# Altium PCB HYDRA_V3_BEACON.PcbDoc (part 1 of 2) (continued)
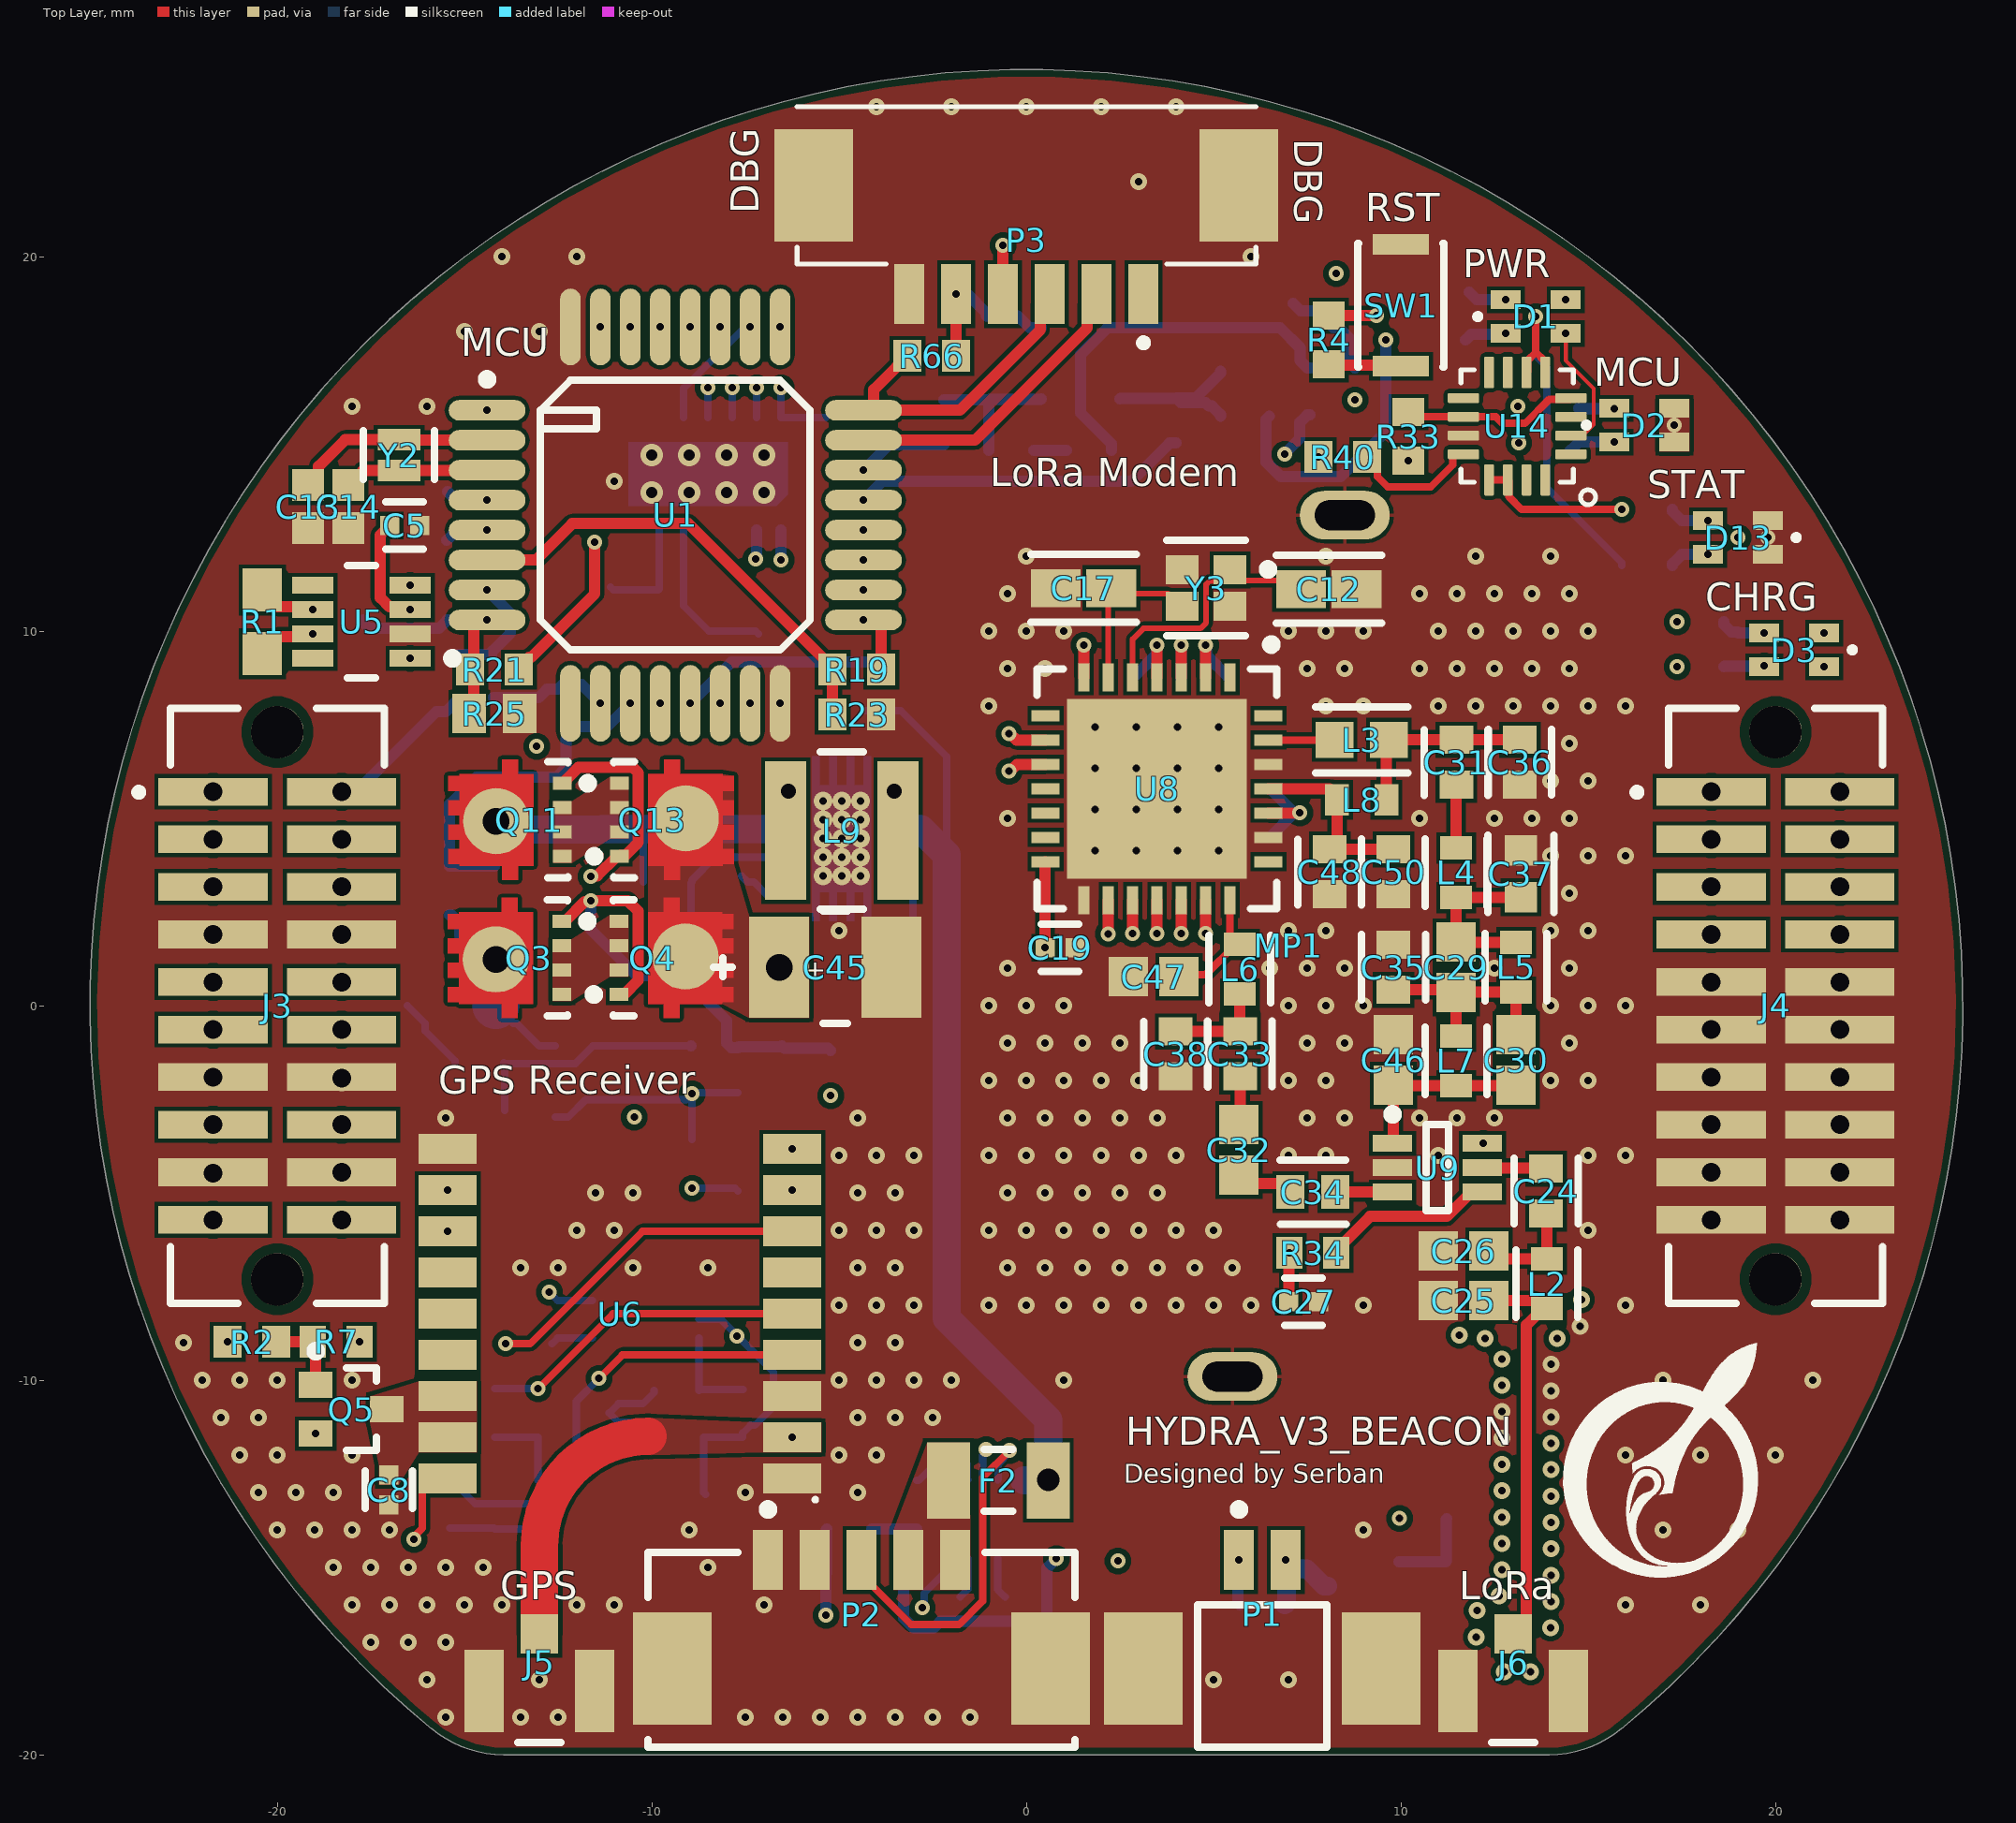
[diagram p0: Top Layer view]
## Components (designator, comment, footprint, x,y, rotation, side; value= is the part's Value field where it differs from the comment) (continued)
Q11 "SISH615ADN-T1-GE3" SISH615ADN-T1-GE3-Footprint-1 -13.79,4.927 r90 top
Q13 "SISH615ADN-T1-GE3" SISH615ADN-T1-GE3-Footprint-1 -9.465,5.002 r270 top
Q14 "BSS138W-7-F" DIOD-SOT323-3_V 9,-15.5 r180 bottom
R1 "ERJ-3EKF1200V" RESC1609X55X30ML15T15 -20.401,10.251 r270 top
R2 "ERJ3EKF1002V" RESC1609X55X30LL15T15 -20.675,-8.975 r180 top
R3 "CRCW060351R0FKEA" FP-CRCW0603-e3-MFG 13.9,16.2 r180 bottom
R4 "ERJ-3EKF3300V" RESC1608X55X30LL15T15#1 8.075,17.775 r270 top
R5 "CRCW060351R0FKEA" FP-CRCW0603-e3-MFG 13.9,14.8 r180 bottom
R6 "ERJ3EKF1002V" RESC1609X55X30LL15T15 -15.475,13.1 r90 bottom
R7 "ERJ-3EKF1001V" RESC1608X55X30LL15T15#2 -18.425,-8.975 r180 top
R8 "ERJ-3EKF3300V" RESC1608X55X30LL15T15#1 11.075,17.775 r180 bottom
R9 "0R3J" RESC0603(1608)_L 6.3,-14.8 r180 bottom value=0
R10 "CRCW060351R0FKEA" FP-CRCW0603-e3-MFG 11.075,19.05 r180 bottom
R11 "ERJ3EKF1002V" RESC1609X55X30LL15T15 -15.4,3.075 r270 bottom
R12 "ERJ3EKF1002V" RESC1609X55X30LL15T15 -14.2,3.075 r90 bottom
R13 "ERJ3EKF1002V" RESC1609X55X30LL15T15 -6.525,-1.725 r90 bottom
R14 "ERJ-3EKF1001V" RESC1608X55X30LL15T15#2 18,10.25 r0 bottom
R15 "ERJ-6DSFR10V" FP-ERJ6D-MFG -15.35,0 r0 bottom
R16 "ERJ3EKF1002V" RESC1609X55X30LL15T15 -14.6,-1.525 r180 bottom
R17 "RT0603BRD071ML" RESC1608X55X30NL20T20 -8.95,-1.725 r90 bottom
R18 "ERJ3EKF1002V" RESC1609X55X30LL15T15 -4.675,-13.975 r0 bottom
R19 "ERJ3EKF1002V" RESC1609X55X30LL15T15 -4.525,8.975 r0 top
R20 "ERJ3EKF1002V" RESC1609X55X30LL15T15 -15.275,8.725 r270 bottom
R21 "ERJ3EKF1002V" RESC1609X55X30LL15T15 -14.2,8.975 r0 top
R22 "ERJ3EKF1002V" RESC1609X55X30LL15T15 -4.7,-15.175 r180 bottom
R23 "ERJ3EKF1002V" RESC1609X55X30LL15T15 -4.525,7.775 r180 top
R24 "CRCW06032K70JNEA" RESC1609X50X30ML10T20 -13.6,9.375 r180 bottom
R25 "CRCW06032K70JNEA" RESC1609X50X30ML10T20 -14.2,7.8 r180 top
R26 "ERJ3EKF1002V" RESC1609X55X30LL15T15 -14.188,-10.875 r90 bottom
R27 "ERJ-3EKF10R0V" FP-ERJ3EK-MFG -9.337,-11.525 r180 bottom value=10Ω
R28 "ERJ-3EKF1001V" RESC1608X55X30LL15T15#2 -15.388,-13.325 r270 bottom
R29 "ERA3AEB561V" RESC1608X55X30LL20T20 -9.337,-10.275 r180 bottom
R30 "ERJ3EKF1002V" RESC1609X55X30LL15T15 -14.188,-13.325 r270 bottom
R31 "RC0603FR-07100KL" FP-RC0603-0_55-MFG -6.712,-10.25 r180 bottom
R32 "ERJ-3EKF1001V" RESC1608X55X30LL15T15#2 -13.287,-9.025 r0 bottom
R33 "ERJ3EKF1002V" RESC1609X55X30LL15T15 10.2,15.2 r270 top
R34 "ERJ-3EKF1001V" RESC1608X55X30LL15T15#2 7.65,-6.6 r180 top
R35 "ERJ-3EKF1001V" RESC1608X55X30LL15T15#2 18,9.05 r0 bottom
R36 "ERJ-3EKF1004V" FP-ERJ3EK-IPC_C -9.585,3.305 r180 bottom
R37 "ERJ3EKF1803V" RESC1608X55X30LL15T15#2 -9.585,2.13 r0 bottom
R38 "ERJ3EKF1002V" RESC1609X55X30LL15T15 -8.925,-4.225 r90 bottom
R39 "ERJ3EKF3901V" RESC1608X55X30ML15T15 -7.7,-4.225 r270 bottom
R40 "ERJ3EKF1002V" RESC1609X55X30LL15T15 8.45,14.65 r0 top
R41 "ERJ-3EKF1001V" RESC1608X55X30LL15T15#2 -0.574,-16.414 r270 bottom
R43 "ERJ-3EKF1001V" RESC1608X55X30LL15T15#2 -1.774,-16.414 r270 bottom
R44 "ERJ3EKF1002V" RESC1609X55X30LL15T15 -13.025,7.575 r270 bottom
R45 "ERJ3EKF1002V" RESC1609X55X30LL15T15 -4.3,8.525 r270 bottom
R47 "ERJ3EKF1002V" RESC1609X55X30LL15T15 -2.925,-13.325 r270 bottom
R48 "ERJ3EKF1002V" RESC1609X55X30LL15T15 -14.225,7.575 r90 bottom
R49 "ERJ3EKF1002V" RESC1609X55X30LL15T15 -5.5,8.525 r90 bottom
R51 "ERJ3EKF1002V" RESC1609X55X30LL15T15 -1,16.825 r90 bottom
R52 "ERJ-3EKF1001V" RESC1608X55X30LL15T15#2 7.575,16.4 r90 bottom
R56 "ERJ3EKF1002V" RESC1609X55X30LL15T15 5.827,15.737 r180 bottom
R57 "ERJ3EKF1002V" RESC1609X55X30LL15T15 5.827,16.937 r180 bottom
R59 "ERJ3EKF1002V" RESC1609X55X30LL15T15 3.971,18.75 r90 bottom
R60 "ERJ3EKF3901V" RESC1608X55X30ML15T15 8.275,18.825 r90 bottom
R61 "ERJ-3EKF1001V" RESC1608X55X30LL15T15#2 8.775,16.4 r270 bottom
R62 "ERJ-3EKF1001V" RESC1608X55X30LL15T15#2 10.6,-13.7 r180 bottom
R63 "ERJ3EKF1002V" RESC1609X55X30LL15T15 11.2,-15.5 r270 bottom
R64 "ERJ-3EKF1500V" RESC1608X55X30NL15T15 16.575,13.25 r0 bottom
R65 "ERJ-3GEYJ820V" RESC1608X55X30NL15T15 16.575,11.75 r0 bottom
R66 "ERJ3EKF1002V" RESC1609X55X30LL15T15 -2.525,17.35 r0 top
SW1 "KXT331LHS" FP-KXT331LHS-MFG 10,18.7 r90 top locked
TP1 "TPAD6R" TP06R -6.264,-3.825 r0 bottom
TP2 "TPAD6R" TP06R -0.462,7.262 r270 bottom
TP3 "TPAD6R" TP06R -0.449,6.262 r270 bottom
TP4 "TPAD6R" TP06R 1.537,9.625 r270 bottom
U1 "STM32L051K8T6TR" CQFP80P1115X1115X160-32N -9.375,13.1 r0 top
U2 "MCP2518FDT-H/QBB" FP-C04-21361-MFG -8.5,14.2 r90 bottom
U4 "TLV1805DBVR" FP-DBV0006A-IPC_C -11.525,-2.025 r0 bottom
U5 "TCAN330GDCNR" FP-DCN0008A-MFG -17.751,10.251 r180 top
U6 "MAX-M10M-00B" CAC-110P1035X969-18N -10.85,-8.225 r180 top
U7 "LT6000IDCB#TRMPBF" FP-DCB-6-05-08-1715-MFG -10.162,-8.375 r180 bottom
U8 "SX1276IMLTRT" SMTC-QFN-28_V 3.487,5.794 r270 top
U9 "4259-63" PERE-SC-70-6_M 10.975,-4.325 r0 top
U10 "TPS63021DSJR" FP-DSJ0014A-MFG -4.935,4.462 r90 bottom
U11 "BQ24040DSQR" DSQ0010A_V -1.174,-13.714 r90 bottom
U13 "TLV1805DBVR" FP-DBV0006A-IPC_C 1.446,17.15 r180 bottom
U14 "LM2902Q4T" LM2902Q4T-Footprint-1 13.1,15.475 r180 top
Y1 "ABM11AIG-40.000MHZ-4Z-T3" FP-ABM11AIG-MFG -9.125,10.55 r0 bottom
Y2 "ECS-.327-12.5-1210-TR" FP-ECX-1210-MFG -16.75,14.7 r270 top
Y3 "ABM11W-32.0000MHZ-8-D1X-T3" FP-ABM11W-MFG 4.8,11.15 r180 top

## Footprints (in the part's own frame and the unit in brackets; to place one, negate y for a bottom-side part, rotate by r counter-clockwise, add the part's x,y. Pads: shape width x height; smd on the part's side, far side on the other; paste and mask are expansions set on the pad)
3670233 [mm] "Shielding Cabinet, SMT Frame Seamless, 23.3x17.5x5mm"
  oval 1.3x2.4 hole 0.8 slot 1.6 at 90 deg: 1(-11.5,1.5) 1(11.5,-1.5)
  body extent -11.65,-8.75 11.65,8.75, height 3.3
0532610671-Footprint-1 [mm]
  rect 0.8x1.6 smd: 1(-3.125,0) 2(-1.875,0) 3(-0.625,0) 4(0.625,0) 5(1.875,0) 6(3.125,0)
  rect 2.1x3 smd: S1(-5.675,-2.9) S2(5.675,-2.9)
  silkscreen extent -6.12,-5 6.12,1.4
CAC-110P1035X969-18N [mm] "Chip Array, Concave, 18-Leads, Pitch 1.10mm,  Body 10.35x9.70mm,  IPC Medium Density"
  rect 1.55x0.8 smd: 1(-4.6,4.4) 2(-4.6,3.3) 3(-4.6,2.2) 4(-4.6,1.1) 5(-4.6,0) 6(-4.6,-1.1) 7(-4.6,-2.2) 8(-4.6,-3.3) 9(-4.6,-4.4) 10(4.6,-4.4) 11(4.6,-3.3) 12(4.6,-2.2) 13(4.6,-1.1) 14(4.6,0) 15(4.6,1.1) 16(4.6,2.2) 17(4.6,3.3) 18(4.6,4.4)
  silkscreen extent -5.26,4.91 -5.16,5.01, body extent -4.9,-5.35 4.9,5.35, height 2.7
CAPC1608X90X40LL10T20 [mm] "Chip Capacitor, 2-Leads, Body 1.7x0.9mm, IPC High Density"
  rect 0.85x0.85 smd: 1(-0.575,0) 2(0.575,0)
  body extent -0.85,-0.45 0.85,0.45, height 0.9
CAPC1608X90X40ML10T20 [mm] "Chip Capacitor, 2-Leads, Body 1.7x0.9mm, IPC Low Density"
  rect 1.05x1.05 smd: 1(-0.675,0) 2(0.675,0)
  body extent -0.85,-0.45 0.85,0.45, height 0.9
CAPC1608X92X38LL15T08 [mm] "Chip Capacitor, 2-Leads, Body 1.60x0.80mm, IPC High Density"
  rect 0.75x0.9 smd: 1(-0.625,0) 2(0.625,0)
  body extent -0.87,-0.48 0.87,0.48, height 0.92
CQFP80P1115X1115X160-32N [mm] "CQFP, 32-Leads, Body 11.15x11.15mm, Pitch 0.80mm, IPC Medium Density"
  oval 2.05x0.55 smd: 1(-5.025,2.8) 2(-5.025,2) 3(-5.025,1.2) 4(-5.025,0.4) 5(-5.025,-0.4) 6(-5.025,-1.2) 7(-5.025,-2) 8(-5.025,-2.8) 17(5.025,-2.8) 18(5.025,-2) 19(5.025,-1.2) 20(5.025,-0.4) 21(5.025,0.4) 22(5.025,1.2) 23(5.025,2) 24(5.025,2.8)
  oval 0.55x2.05 smd: 9(-2.8,-5.025) 10(-2,-5.025) 11(-1.2,-5.025) 12(-0.4,-5.025) 13(0.4,-5.025) 14(1.2,-5.025) 15(2,-5.025) 16(2.8,-5.025) 25(2.8,5.025) 26(2,5.025) 27(1.2,5.025) 28(0.4,5.025) 29(-0.4,5.025) 30(-1.2,5.025) 31(-2,5.025) 32(-2.8,5.025)
  silkscreen extent -5.15,-3.6 3.6,3.75, body extent -3.5,-3.5 3.5,3.5, height 1.6
DIOD-SOT323-3_V [mm] "SOT323, 3-Leads, Body 2.2x1.35mm, Pitch 0.65mm"
  rect 0.9x0.7 smd: 1(-0.95,0.65) 2(-0.95,-0.65) 3(0.95,0)
  silkscreen extent -1.07,-1.1 0.67,1.67, body extent -1.1,-1.1 1.1,1.1, height 1.07
DSQ0010A_V [mm] "SON, 10-Leads, Body 2x2mm, Pitch 0.4mm, Thermal Pad 1.5x0.9mm"
  rrect43% 0.7x0.23 smd: 1(-1.05,0.8) 2(-1.05,0.4) 3(-1.05,0) 4(-1.05,-0.4) 5(-1.05,-0.8) 6(1.05,-0.8) 7(1.05,-0.4) 8(1.05,0) 9(1.05,0.4) 10(1.05,0.8)
  rrect11% 0.9x1.5 smd: 11(0,0)
  silkscreen extent -1.5,1 -1.4,1.1, body extent -1,-1 1,1, height 0.8
FP-0466-MFG [mil]
  rect 45x80 smd paste+0 mask+0: 1(-52.5,0) 2(52.5,0)
  silkscreen extent -15,-32 15,32, body extent -79,-44 79,44, height 10
FP-0603-L_1_6_0_15-W_0_81-IPC_C [mm]
  rect 0.807x0.868 smd paste+0 mask+0: 1(-0.626,0) 2(0.626,0)
  silkscreen extent -1.03,-0.88 1.03,0.88, body extent -1.13,-0.58 1.13,0.58, height 0.25
FP-0603SFS-MFG [mil]
  rect 43x39 smd paste+0 mask+0: 1(-33.5,0) 2(33.5,0)
  silkscreen extent -34,-33 34,33, body extent -31,-16 31,16, height 37
FP-ABM11AIG-MFG [mm]
  rect 0.9x0.8 smd paste+0 mask+0: 1(-0.7,-0.55) 2(0.7,-0.55) 3(0.7,0.55) 4(-0.7,0.55)
  silkscreen extent -1.82,-1.35 1.05,1.35, body extent -1,-0.8 1,0.8, height 0.55
FP-ABM11W-MFG [mm]
  rect 0.875x0.775 smd paste+0 mask+0: 1(-0.637,-0.487) 2(0.637,-0.487) 3(0.637,0.487) 4(-0.637,0.487)
  silkscreen extent -1.78,-1.28 1.05,1.28, body extent 0,0 0,0
FP-C04-21361-MFG [mm]
  rrect100% 0.8x0.35 smd paste+0 mask+0: 1(-1.5,1.95) 2(-1.5,1.3) 3(-1.5,0.65) 4(-1.5,0) 5(-1.5,-0.65) 6(-1.5,-1.3) 7(-1.5,-1.95) 8(1.5,-1.95) 9(1.5,-1.3) 10(1.5,-0.65) 11(1.5,0) 12(1.5,0.65) 13(1.5,1.3) 14(1.5,1.95)
  round 1.53 smd paste+0 mask+0: 15(0,0)
  Top Layer region: 0.85,2.125 -0.55,2.125 -0.85,1.825 -0.85,-2.125 0.85,-2.125 0.85,2.125
  silkscreen extent -2.8,-2.52 2.3,2.52, body extent -1.51,-2.25 1.51,2.25, height 1
FP-C0402-BB-MFG [mm]
  rect 0.52x0.52 smd paste+0 mask+0: 1(-0.4,0) 2(0.4,0)
  silkscreen extent -0.5,-0.64 0.5,0.64, body extent -0.5,-0.25 0.5,0.25, height 0.55
FP-C0603C-CF-MFG [mm]
  rect 0.75x0.9 smd paste+0 mask+0: 1(-0.6,0) 2(0.6,0)
  silkscreen extent -0.87,-0.85 0.88,0.85, body extent -1.2,-0.6 1.2,0.6, height 0.25
FP-C0805C-DG-MFG [mm]
  rect 0.95x1.35 smd paste+0 mask+0: 1(-0.75,0) 2(0.75,0)
  silkscreen extent -1.11,-1.08 1.1,1.07, body extent -1,-0.63 1,0.63, height 1.4
FP-C1608-080-0_1-IPC_A [mm]
  rect 1.331x1.012 smd paste+0 mask+0: 1(-0.741,0) 2(0.741,0)
  silkscreen extent -1.41,-0.91 1.41,0.91, body extent -0.8,-0.4 0.8,0.4, height 0.9
FP-CC0603-DA-MFG [mm]
  rect 0.8x0.9 smd paste+0 mask+0: 1(-0.75,0) 2(0.75,0)
  silkscreen extent -0.85,-0.85 0.85,0.85, body extent -0.8,-0.4 0.8,0.4, height 0.9
FP-CRCW0603-e3-MFG [mm]
  rect 0.75x1 smd paste+0 mask+0: 1(-0.75,0) 2(0.75,0)
  silkscreen extent -0.8,-0.9 0.8,0.9, body extent -0.77,-0.43 0.77,0.43, height 0.5
FP-DBV0006A-IPC_C [mm]
  rect 1.205x0.53 smd paste+0 mask+0: 1(-1.05,0.95)
  rrect100% 1.205x0.53 smd paste+0 mask+0: 2(-1.05,0) 3(-1.05,-0.95) 4(1.05,-0.95) 5(1.05,0) 6(1.05,0.95)
  silkscreen extent -2.33,-1.45 0.05,1.45, body extent -1.4,-1.45 1.4,1.45, height 1.45
FP-DCB-6-05-08-1715-MFG [mm]
  rect 0.7x0.25 smd paste+0 mask+0: 1(-1.425,0.5) 2(-1.425,0) 3(-1.425,-0.5) 4(1.425,-0.5) 5(1.425,0) 6(1.425,0.5)
  rect 1.65x1.35 smd paste+0 mask+0: 7(0,0)
  silkscreen extent -2.58,-1.05 1.55,1.05, body extent -1.5,-1 1.5,1, height 0.8
FP-DCN0008A-MFG [mm]
  rect 1.1x0.45 smd paste+0 mask+0: 1(-1.3,0.975) 2(-1.3,0.325) 3(-1.3,-0.325) 4(-1.3,-0.975) 5(1.3,-0.975) 6(1.3,-0.325) 7(1.3,0.325) 8(1.3,0.975)
  silkscreen extent -2.55,-1.5 0.38,1.5, body extent -1.95,-1.85 1.95,1.85, height 0.25
FP-DSJ0014A-MFG [mm]
  rrect100% 0.24x0.6 smd paste+0 mask+0: 1(-1.5,-1.4) 2(-1,-1.4) 3(-0.5,-1.4) 4(0,-1.4) 5(0.5,-1.4) 6(1,-1.4) 7(1.5,-1.4) 8(1.5,1.4) 9(1,1.4) 10(0.5,1.4) 11(0,1.4) 12(-0.5,1.4) 13(-1,1.4) 14(-1.5,1.4)
  round 1.422 smd paste-1000 mask+0: 15(0,0)
  Top Layer region: -2.2,0.79 2.2,0.79 2.2,0.59 1.425,0.59 1.425,0.33 2.2,0.33 2.2,0.13 1.425,0.13 1.425,-0.13 2.2,-0.13 2.2,-0.33 1.425,-0.33 1.425,-0.59 2.2,-0.59 2.2,-0.79 -2.2,-0.79 -2.2,-0.59 -1.425,-0.59 -1.425,-0.33 -2.2,-0.33 -2.2,-0.13 -1.425,-0.13 -1.425,0.13 -2.2,0.13 -2.2,0.33 -1.425,0.33 -1.425,0.59 -2.2,0.59
  silkscreen extent -2.9,-1.6 2.07,1.58, body extent -2,-1.5 2,1.5, height 1
FP-ECX-1210-MFG [mm]
  rect 0.575x1.14 smd paste+0 mask+0: 1(-0.413,0) 2(0.413,0)
  silkscreen extent -0.65,-0.95 0.65,0.95, body extent -0.6,-0.5 0.6,0.5, height 0.5
FP-ERJ3EK-IPC_C [mm]
  rect 0.757x0.862 smd paste+0 mask+0: 1(-0.651,0) 2(0.651,0)
  silkscreen extent -1.03,-0.87 1.03,0.87, body extent -0.8,-0.4 0.8,0.4, height 0.55
FP-ERJ3EK-MFG [mm]
  rect 0.65x0.9 smd paste+0 mask+0: 1(-0.725,0) 2(0.725,0)
  silkscreen extent 0,-0.48 0,0.48, body extent -0.8,-0.4 0.8,0.4, height 0.55
FP-ERJ6D-MFG [mm]
  rect 1.15x1.15 smd paste+0 mask+0: 1(-1.175,0) 2(1.175,0)
  silkscreen extent -0.23,-0.67 0.23,0.67, body extent -1,-0.63 1,0.63, height 0.7
FP-GRM21B-0_15-MFG [mm]
  rect 0.7x1.3 smd paste+0 mask+0: 1(-0.95,0) 2(0.95,0)
  silkscreen extent -0.23,-0.7 0.23,0.7, body extent -1,-0.63 1,0.63, height 1.4
FP-KXT331LHS-MFG [mm]
  rect 0.55x1.5 smd paste+0 mask+0: 1(-1.625,0) 2(1.625,0)
  silkscreen extent -1.65,-1.15 1.65,1.15, body extent -2,-1.25 2,1.25, height 0.25
FP-LQG18HH_00-IPC_B [mm]
  rect 1.006x0.958 smd paste+0 mask+0: 1(-0.726,0) 2(0.726,0)
  silkscreen extent -1.23,-0.88 1.23,0.88, body extent -1.48,-0.73 1.48,0.73, height 0.25
FP-LQW18AN_00-MFG [mm]
  rect 0.625x0.85 smd paste+0 mask+0: 1(-0.663,0) 2(0.663,0)
  silkscreen extent -0.9,-0.82 0.9,0.82, body extent -0.8,-0.4 0.8,0.4, height 1
FP-PA4332-MFG [mm]
  rect 1.1x3.7 smd paste+0 mask+0: 1(-1.5,0) 2(1.5,0)
  silkscreen extent -0.58,-2.1 0.58,2.1, body extent -2.1,-2.1 2.1,2.1, height 2
FP-POSCAP-B2-MFG [mm]
  rect 1.6x2.7 smd paste+0 mask+0: 1(-1.5,0) 2(1.5,0)
  silkscreen extent -0.33,-1.5 3.25,1.5, body extent -2.4,-1.6 2.4,1.6, height 0.25
FP-RC0603-0_55-MFG [mm]
  rect 0.9x0.8 smd paste+0 mask+0: 1(-0.85,0) 2(0.85,0)
  silkscreen extent -0.03,-0.45 0.03,0.45, body extent -0.8,-0.4 0.8,0.4, height 0.55
FP-U_FL-R-SMT_10-MFG [mm]
  rect 1x1.05 smd paste-1000 mask+0: 1(0,1.525)
  rect 1.05x2.2 smd paste-1000 mask+0: 2(-1.475,0) 3(1.475,0)
  silkscreen extent -0.58,-1.38 0.58,-1.38, body extent -2.1,-1.48 2.1,2.15, height 0.25
INDC1608X90X30LL10T20 [mm] "Chip Inductor, 2-Leads, Body 1.7x0.9mm, IPC High Density"
  rect 0.64x0.84 smd: 1(-0.66,0) 2(0.66,0)
  body extent -0.85,-0.45 0.85,0.45, height 0.9
LM2902Q4T-Footprint-1 [mm]
  rrect25% 0.84x0.26 smd: 1(-1.435,0.75) 2(-1.435,0.25) 3(-1.435,-0.25) 4(-1.435,-0.75) 9(1.435,-0.75) 10(1.435,-0.25) 11(1.435,0.25) 12(1.435,0.75)
  rrect25% 0.26x0.84 smd: 5(-0.75,-1.435) 6(-0.25,-1.435) 7(0.25,-1.435) 8(0.75,-1.435) 13(0.75,1.435) 14(0.25,1.435) 15(-0.25,1.435) 16(-0.75,1.435)
  silkscreen extent -2.09,-1.5 1.5,2.1
MOLX-52361-0571-5_V [mm] "SMD, 5-Leads, Body 11.4x5.2mm, Pitch 1.25mm"
  rect 0.8x1.6 smd: 1(-2.5,0) 2(-1.25,0) 3(0,0) 4(1.25,0) 5(2.5,0)
  rect 2.1x3 smd: MP1(-5.05,-2.9) MP2(5.05,-2.9)
  silkscreen extent -5.7,-5 5.7,1.47, body extent -5.7,-5 5.7,0.2, height 3.4
MOLX-53261-0271_V [mm] "Header, 2-Leads, Pitch 1.25mm"
  rect 0.8x1.6 smd: 1(-0.625,1.45) 2(0.625,1.45)
  rect 2.1x3 smd: MP1(-3.175,-1.45) MP2(3.175,-1.45)
  silkscreen extent -1.72,-3.55 1.73,2.92, body extent -3.82,-3.55 3.83,1.65, height 3.41
PERE-SC-70-6_M [mm] "SOT23, 6-Leads, Body 2.25x1.35mm, Pitch 0.65mm, IPC Low Density"
  rect 1.05x0.45 smd: 1(-1.2,0.65) 2(-1.2,0) 3(-1.2,-0.65) 4(1.2,-0.65) 5(1.2,0) 6(1.2,0.65)
  silkscreen extent -1.32,-1.15 0.3,1.55, body extent -0.67,-1.12 0.67,1.13, height 1.1
RESC0603(1608)_L [mm] "Chip Resistor, Body 1.6x0.8mm, IPC High Density"
  rrect25% 0.66x0.76 smd: 1(-0.7,0) 2(0.7,0)
  silkscreen extent 0,-0.3 0,0.3, body extent -0.8,-0.4 0.8,0.4, height 0.45
RESC1608X55X30LL15T15#1 [mm] "Chip Resistor, 2-Leads, Body 1.75x0.95mm, IPC High Density"
  rect 0.75x0.85 smd: 1(-0.65,0) 2(0.65,0)
  body extent -0.87,-0.48 0.87,0.48, height 0.55
RESC1608X55X30LL15T15#2 [mm] "Chip Resistor, 2-Leads, Body 1.60x0.80mm, IPC High Density"
  rect 0.7x0.85 smd: 1(-0.625,0) 2(0.625,0)
  body extent -0.87,-0.48 0.87,0.48, height 0.55
RESC1608X55X30LL20T20 [mm] "Chip Resistor, 2-Leads, Body 1.60x0.80mm, IPC High Density"
  rect 0.8x0.9 smd: 1(-0.6,0) 2(0.6,0)
  body extent -0.9,-0.5 0.9,0.5, height 0.55
RESC1608X55X30ML15T15 [mm] "Chip Resistor, 2-Leads, Body 1.60x0.80mm, IPC Low Density"
  rect 0.9x1.05 smd: 1(-0.725,0) 2(0.725,0)
  body extent -0.87,-0.48 0.87,0.48, height 0.55
RESC1608X55X30NL15T15 [mm] "Chip Resistor, 2-Leads, Body 1.60x0.80mm, IPC Medium Density"
  rect 0.8x0.95 smd: 1(-0.675,0) 2(0.675,0)
  body extent -0.87,-0.48 0.87,0.48, height 0.55
RESC1608X55X30NL20T20 [mm] "Chip Resistor, 2-Leads, Body 1.60x0.80mm, IPC Medium Density"
  rect 0.9x1 smd: 1(-0.65,0) 2(0.65,0)
  body extent -0.9,-0.5 0.9,0.5, height 0.55
RESC1609X50X30ML10T20 [mm] "Chip Resistor, 2-Leads, Body 1.55x0.85mm, IPC Low Density"
  rect 0.9x1.05 smd: 1(-0.675,0) 2(0.675,0)
  body extent -0.82,-0.48 0.82,0.48, height 0.5
RESC1609X55X30LL15T15 [mm] "Chip Resistor, 2-Leads, Body 1.75x0.95mm, IPC High Density"
  rect 0.75x0.85 smd: 1(-0.65,0) 2(0.65,0)
  body extent -0.87,-0.48 0.87,0.48, height 0.55
RESC1609X55X30ML15T15 [mm] "Chip Resistor, 2-Leads, Body 1.75x0.95mm, IPC Low Density"
  rect 1.15x1.05 smd: 1(-0.85,0) 2(0.85,0)
  body extent -0.87,-0.48 0.87,0.48, height 0.55
SFML-110-02-L-D-A-Footprint-1 [mm]
  rect 0.74x2.22 smd: 01(-5.715,1.365) 02(-5.715,-1.365) 03(-4.445,1.365) 04(-4.445,-1.365) 05(-3.175,1.365) 06(-3.175,-1.365) 07(-1.905,1.365) 08(-1.905,-1.365) 09(-0.635,1.365) 10(-0.635,-1.365) 11(0.635,1.365) 12(0.635,-1.365) 13(1.905,1.365) 14(1.905,-1.365) 15(3.175,1.365) 16(3.175,-1.365) 17(4.445,1.365) 18(4.445,-1.365) 19(5.715,1.365) 20(5.715,-1.365)
  round 1.4 hole 1.4 unplated: ""(-7.305,0) ""(7.305,0)
  silkscreen extent -6.54,-1.53 6.54,3.17
SISH615ADN-T1-GE3-Footprint-1 [mm]
  rect 0.35x0.5 smd paste+0 mask+0: 1(-0.937,-1.4) 2(-0.288,-1.4) 3(0.363,-1.4) 4(1.012,-1.4)
  round 1.769 smd paste+0 mask+0: 5-6-7-8(0,0.367)
  Top Layer region: -1.187,-0.63 -1.187,-0.215 -1.568,-0.215 -1.568,0.215 -1.187,0.215 -1.187,1.35 -1.137,1.35 -1.137,1.65 -0.737,1.65 -0.737,1.35 -0.487,1.35 -0.487,1.65 -0.088,1.65 -0.088,1.35 0.163,1.35 0.163,1.65 0.563,1.65 0.563,1.35 0.813,1.35 0.813,1.65 1.212,1.65 1.212,1.35 1.262,1.35 1.262,0.215 1.643,0.215 1.643,-0.215 1.262,-0.215 1.262,-0.63
  silkscreen extent -1.51,-2.38 1.59,-1.01, body extent -1.51,-1.6 1.59,1.6, height 0.9
SMTC-QFN-28_V [mm] "QFN, 28-Leads, Body 6.1x6.1mm, Pitch 0.65mm, Thermal Pad 4.8x4.8mm"
  rect 0.75x0.3 smd: 1(-2.975,1.95) 2(-2.975,1.3) 3(-2.975,0.65) 4(-2.975,0) 5(-2.975,-0.65) 6(-2.975,-1.3) 7(-2.975,-1.95) 15(2.975,-1.95) 16(2.975,-1.3) 17(2.975,-0.65) 18(2.975,0) 19(2.975,0.65) 20(2.975,1.3) 21(2.975,1.95)
  rect 0.3x0.75 smd: 8(-1.95,-2.975) 9(-1.3,-2.975) 10(-0.65,-2.975) 11(0,-2.975) 12(0.65,-2.975) 13(1.3,-2.975) 14(1.95,-2.975) 22(1.95,2.975) 23(1.3,2.975) 24(0.65,2.975) 25(0,2.975) 26(-0.65,2.975) 27(-1.3,2.975) 28(-1.95,2.975)
  rect 4.8x4.8 smd: 29(0,0)
  silkscreen extent -3.97,-3.2 3.2,3.2, body extent -3.05,-3.05 3.05,3.05, height 1
SOT95P230X110-3N [mm] "SOT23, 3-Leads, Body 2.90x2.30mm, Pitch 0.95mm, IPC Medium Density"
  rect 0.9x0.6 smd: 1(-1.15,0.95) 2(-1.15,-0.95) 3(1.15,0)
  silkscreen extent -1.27,-1.5 0.7,1.92, body extent -0.7,-1.5 0.7,1.5, height 1.1
TFML-110-02-L-D-A-Footprint-1 [mm]
  rect 0.74x2.92 smd: 01(-5.715,-1.715) 02(-5.715,1.715) 03(-4.445,-1.715) 04(-4.445,1.715) 05(-3.175,-1.715) 06(-3.175,1.715) 07(-1.905,-1.715) 08(-1.905,1.715) 09(-0.635,-1.715) 10(-0.635,1.715) 11(0.635,-1.715) 12(0.635,1.715) 13(1.905,-1.715) 14(1.905,1.715) 15(3.175,-1.715) 16(3.175,1.715) 17(4.445,-1.715) 18(4.445,1.715) 19(5.715,-1.715) 20(5.715,1.715)
  round 1.4 hole 1.4 unplated: ""(-7.305,0) ""(7.305,0)
  silkscreen extent -7.94,-3.8 7.94,2.86
TP06R [mm] "Testpoint, round, d=0.6mm"
  round 0.6 smd paste-1: 1(0,0)
TS4148RCG-Footprint-1 [mm]
  rect 0.55x0.9 smd: A(0.6,0) C(-0.6,0)
  silkscreen extent -1.85,-0.1 -1.65,0.1
WL-SBCD_0606 [mm] "SMT Bi-color Chip LED Diffuesed, body 1.5x1.6mm"
  rect 0.5x0.8 smd: 1(-0.45,0.8) 2(-0.45,-0.8) 3(0.45,-0.8) 4(0.45,0.8)
  silkscreen extent -0.07,1.47 0.07,1.62, body extent -0.75,-0.8 0.75,0.8, height 0.55